# Altium PCB CSI2-ZCU106-EVK_Rev01.PcbDoc (part 3 of 4)
Units mm, origin at the board's own origin, x right, y up, seen from the top; angles counter-clockwise.
Board outline 75 x 69 mm, 4 copper layers (Layer1 Top, Layer2, Layer3, Layer4 Bottom), stack 1.59 mm thick; 252 components, 339 nets, 1136 pads, 406 vias.
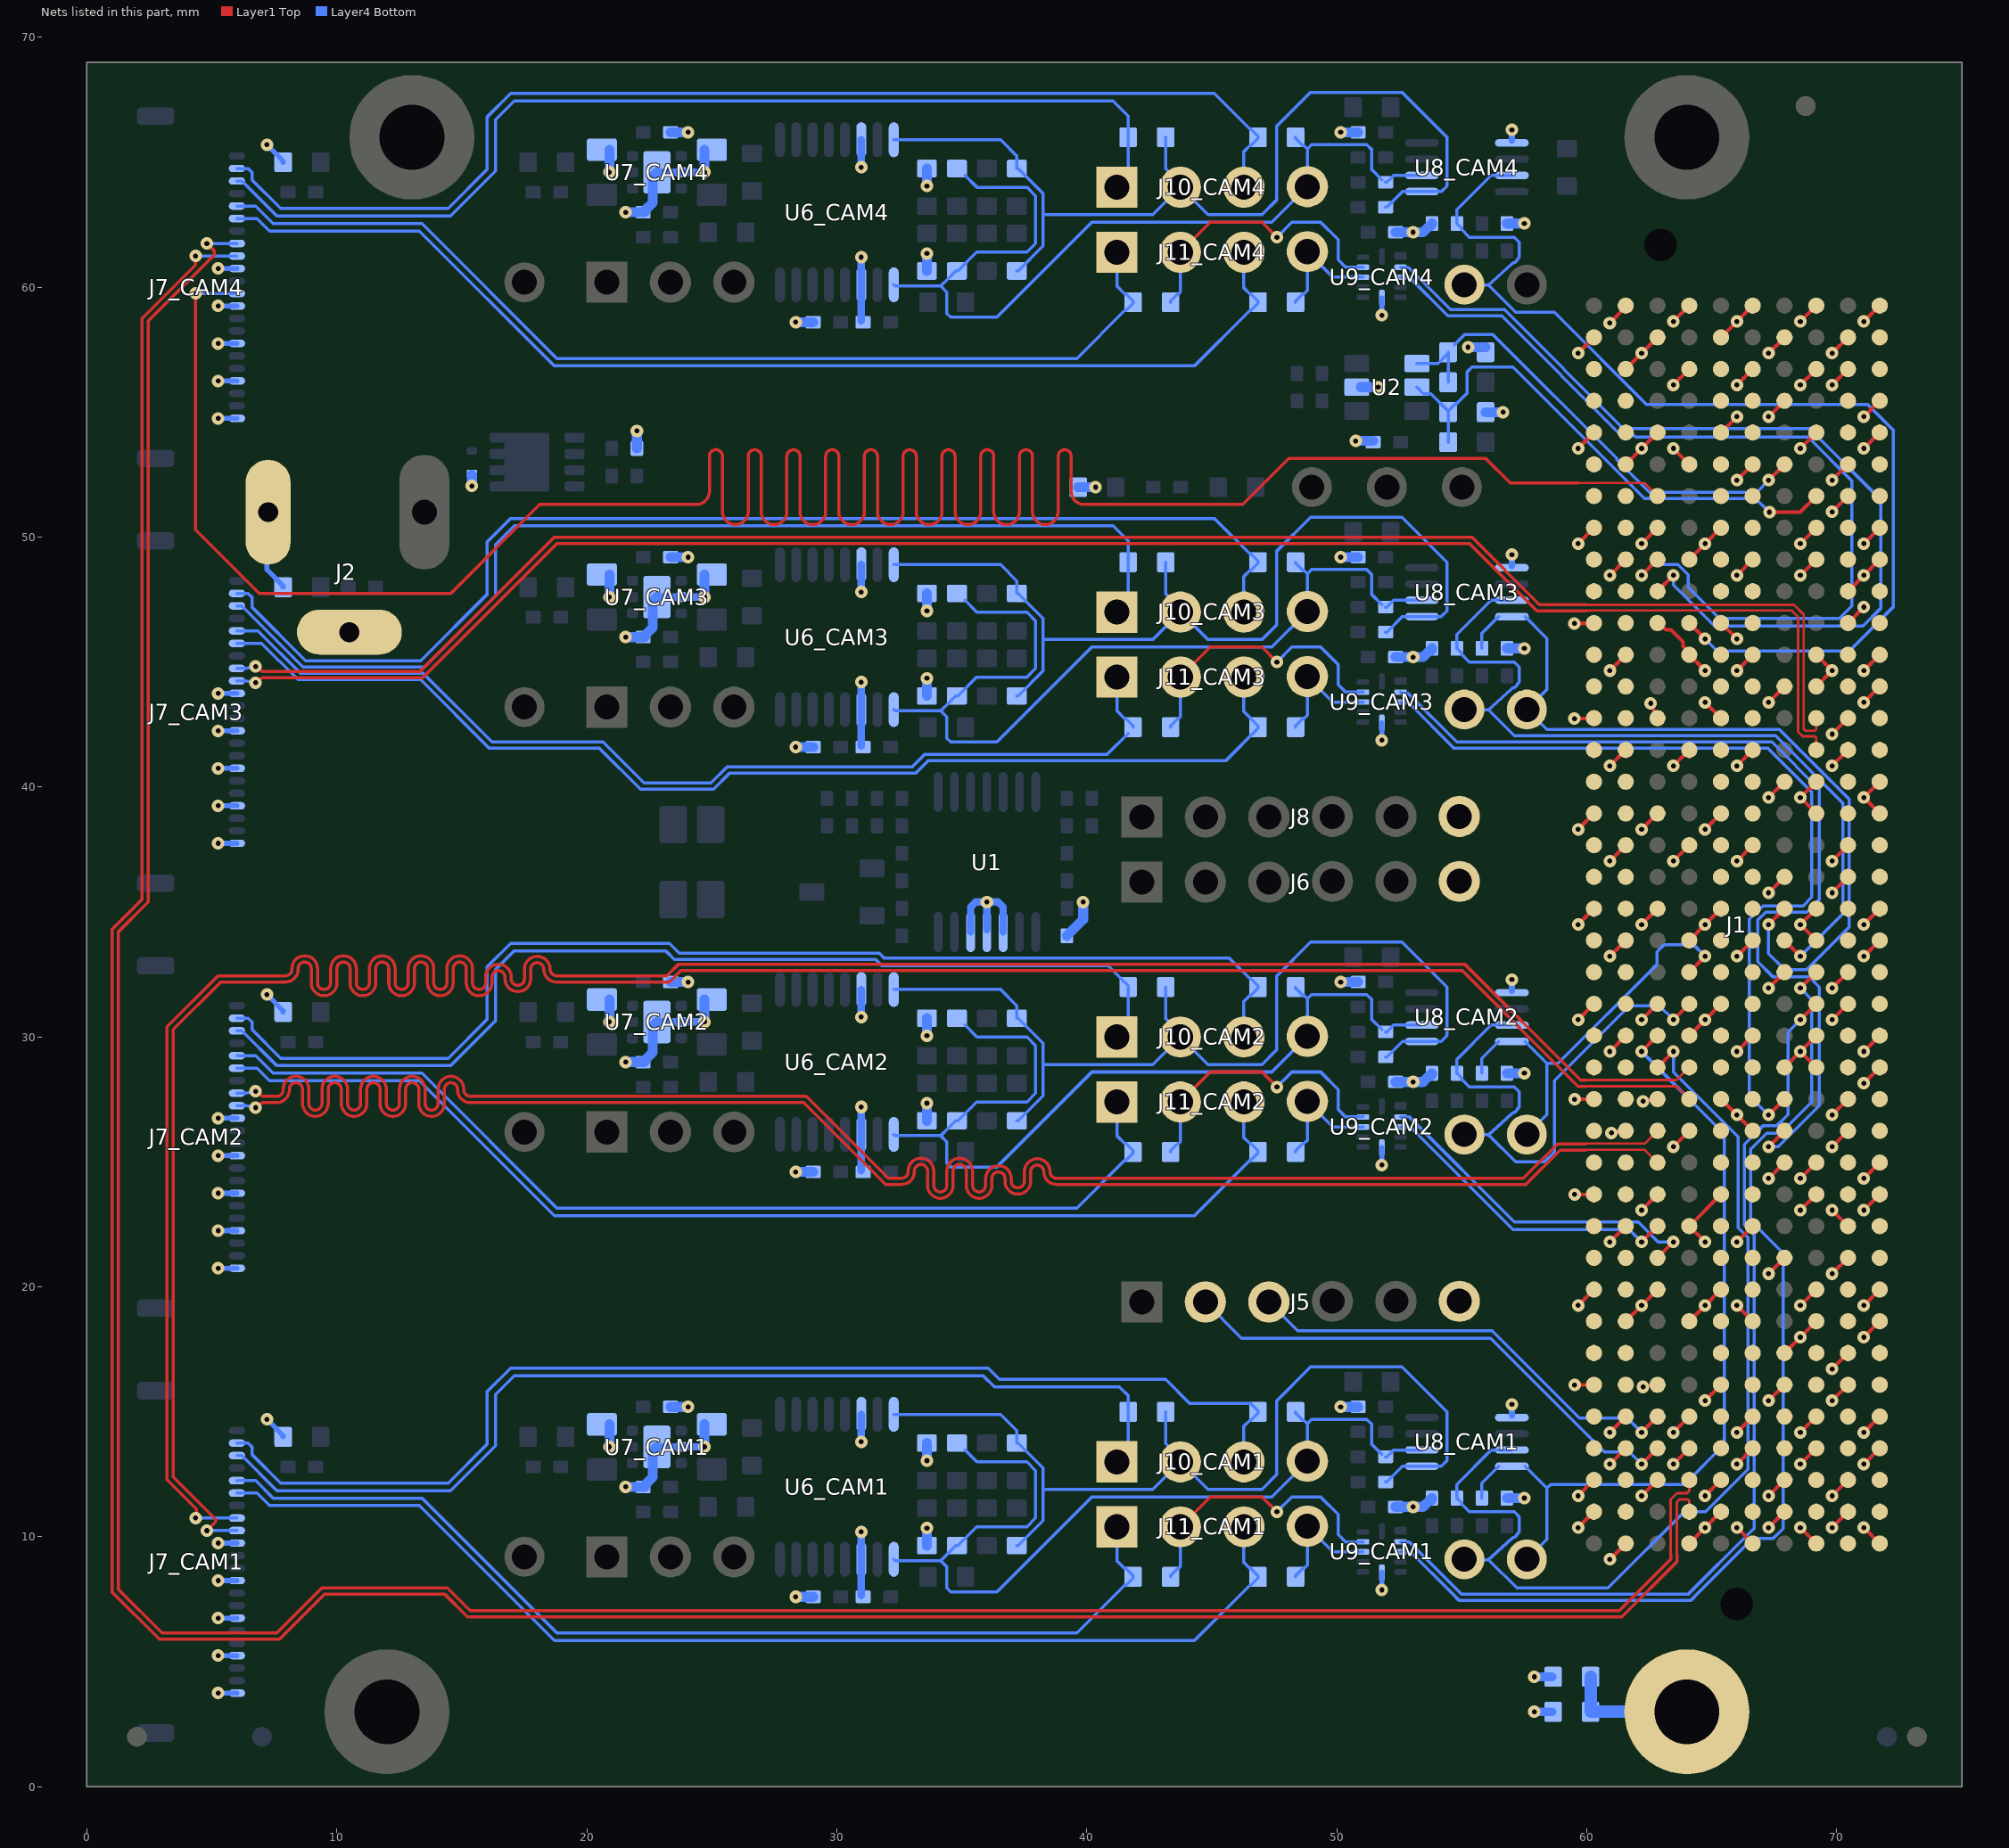
[diagram p5: the nets of this part, all layers, seen from the top]

## Via types
v1: diameter 0.5, hole 0.2, Layer1 Top to Layer4 Bottom, 406 vias

## Nets (pads, with @x,y where several pads share a name; then routed paths per layer and width w, separated by ;. In a path a pad name is that pad's centre, name@x,y a point inside that pad or via, vN(x,y) a via of type N, cw(c..) or ccw(c..) an arc to the next point about the centre after c; other vN are vias at no path point) (continued)
B7-CSI2-TXD2_CAM4_P: J1.H34 J7_CAM4.12 | length 125.2
  Layer1 Top w0.1: 59.65,52.165 62.305,52.165 J1.H34@62.825,51.645
  Layer1 Top w0.125: v1(4.35,59.75) 4.35,50.296 6.896,47.75 14.554,47.75 18.116,51.312 24.2,51.312 24.388,51.312 ccw(c24.388,51.825) 24.9,51.825 24.9,53.238 cw(c25.163,53.238) 25.425,53.238 25.425,51.013 ccw(c25.938,51.013) 26.45,51.013 26.45,53.238 cw(c26.713,53.238) 26.975,53.238 26.975,51.013 ccw(c27.488,51.013) 28,51.013 28,53.238 cw(c28.263,53.238) 28.525,53.238 28.525,51.013 ccw(c29.038,51.013) 29.55,51.013 29.55,53.238 cw(c29.813,53.238) 30.075,53.238 30.075,51.013 ccw(c30.588,51.013) 31.1,51.013 31.1,53.238 cw(c31.363,53.238) 31.625,53.238 31.625,51.013 ccw(c32.138,51.013) 32.65,51.013 32.65,53.238 cw(c32.913,53.238) 33.175,53.238 33.175,51.013 ccw(c33.688,51.013) 34.2,51.013 34.2,53.238 cw(c34.463,53.238) 34.725,53.238 34.725,51.013 ccw(c35.238,51.013) 35.75,51.013 35.75,53.238 cw(c36.013,53.238) 36.275,53.238 36.275,51.013 ccw(c36.788,51.013) 37.3,51.013 37.3,53.238 cw(c37.563,53.238) 37.825,53.238 37.825,51.013 ccw(c38.338,51.013) 38.85,51.013 38.85,53.238 cw(c39.113,53.238) 39.375,53.238 39.375,51.825 ccw(c39.888,51.825) 39.888,51.312 46.235,51.312 47.45,52.528 48.072,53.15 55.95,53.15 56.935,52.165 59.65,52.165
  Layer4 Bottom w0.125: v1(4.35,59.75) J7_CAM4.12@6,59.75
B7-CSI2-TXD3_CAM1_N: J1.G16 J7_CAM1.8 | length 97.9
  Layer1 Top w0.1: 59.95,28.275 63.585,28.275 J1.G16@64.095,28.785
  Layer1 Top w0.125: v1(4.35,10.75) 4.382,10.782 4.382,11.114 3.2,12.296 3.2,30.404 5.246,32.45 7.75,32.45 7.938,32.45 ccw(c7.938,32.712) 8.2,32.712 8.2,32.738 cw(c8.713,32.738) 9.225,32.738 9.225,32.162 ccw(c9.488,32.162) 9.75,32.162 9.75,32.738 cw(c10.263,32.738) 10.775,32.738 10.775,32.162 ccw(c11.038,32.162) 11.3,32.162 11.3,32.738 cw(c11.813,32.738) 12.325,32.738 12.325,32.162 ccw(c12.588,32.162) 12.85,32.162 12.85,32.738 cw(c13.363,32.738) 13.875,32.738 13.875,32.162 ccw(c14.138,32.162) 14.4,32.162 14.4,32.738 cw(c14.913,32.738) 15.425,32.738 15.425,32.162 ccw(c15.688,32.162) 15.95,32.162 15.95,32.395 cw(c16.463,32.395) 16.975,32.395 16.975,32.325 ccw(c17.238,32.325) 17.5,32.325 17.5,32.713 cw(c18.013,32.713) 18.525,32.713 ccw(c18.788,32.712) 18.788,32.45 21.95,32.45 23.2,32.45 23.65,32.9 55.129,32.9 59.754,28.275 59.95,28.275
  Layer4 Bottom w0.125: v1(4.35,10.75) J7_CAM1.8@6,10.75
B7-CSI2-TXD3_CAM1_P: J1.G15 J7_CAM1.9 | length 97.9
  Layer1 Top w0.1: 59.95,28.025 63.585,28.025 J1.G15@64.095,27.515
  Layer1 Top w0.125: v1(4.8,10.25) 5.148,10.598 5.148,10.702 3.45,12.4 3.45,30.3 5.35,32.2 7.75,32.2 7.938,32.2 ccw(c7.938,32.712) 8.45,32.712 8.45,32.738 cw(c8.713,32.738) 8.975,32.738 8.975,32.162 ccw(c9.488,32.162) 10,32.162 10,32.738 cw(c10.263,32.738) 10.525,32.738 10.525,32.162 ccw(c11.038,32.162) 11.55,32.162 11.55,32.738 cw(c11.813,32.738) 12.075,32.738 12.075,32.162 ccw(c12.588,32.162) 13.1,32.162 13.1,32.738 cw(c13.363,32.738) 13.625,32.738 13.625,32.162 ccw(c14.138,32.162) 14.65,32.162 14.65,32.738 cw(c14.913,32.738) 15.175,32.738 15.175,32.162 ccw(c15.688,32.162) 16.2,32.162 16.2,32.395 cw(c16.463,32.395) 16.725,32.395 16.725,32.325 ccw(c17.238,32.325) 17.75,32.325 17.75,32.713 cw(c18.013,32.713) 18.275,32.713 ccw(c18.788,32.712) 18.788,32.2 21.95,32.2 23.304,32.2 23.754,32.65 55.025,32.65 59.65,28.025 59.95,28.025
  Layer4 Bottom w0.125: v1(4.8,10.25) J7_CAM1.9@6,10.25
B7-CSI2-TXD3_CAM2_N: J1.H14 J7_CAM2.8 | length 74.2
  Layer1 Top w0.1: 59.95,25.735 62.315,25.735 J1.H14@62.825,26.245
  Layer1 Top w0.125: v1(6.75,27.825) 6.811,27.825 7.011,27.625 7.4,27.625 7.588,27.625 ccw(c7.588,27.887) 7.85,27.887 7.85,27.913 cw(c8.363,27.913) 8.875,27.913 8.875,27.337 ccw(c9.138,27.337) 9.4,27.337 9.4,27.913 cw(c9.913,27.913) 10.425,27.913 10.425,27.337 ccw(c10.688,27.337) 10.95,27.337 10.95,27.913 cw(c11.463,27.913) 11.975,27.913 11.975,27.337 ccw(c12.238,27.337) 12.5,27.337 12.5,27.913 cw(c13.013,27.913) 13.525,27.913 13.525,27.337 ccw(c13.788,27.337) 14.05,27.337 14.05,27.913 cw(c14.563,27.913) 15.075,27.913 15.075,27.887 ccw(c15.338,27.887) 15.338,27.625 16.45,27.625 28.75,27.625 ; 28.779,27.625 32.054,24.35 32.4,24.35 32.588,24.35 ccw(c32.588,24.612) 32.85,24.612 32.85,24.638 cw(c33.363,24.638) 33.875,24.638 33.875,24.062 ccw(c34.138,24.062) 34.4,24.062 34.4,24.638 cw(c34.913,24.638) 35.425,24.638 35.425,24.062 ccw(c35.688,24.062) 35.95,24.062 35.95,24.339 cw(c36.463,24.339) 36.975,24.339 36.975,24.225 ccw(c37.238,24.225) 37.5,24.225 37.5,24.613 cw(c38.013,24.613) 38.525,24.613 ccw(c38.788,24.612) 38.788,24.35 44.35,24.35 57.45,24.35 58.825,25.725 59.95,25.725
  Layer4 Bottom w0.125: J7_CAM2.8@6,27.75 6.338,27.75 ccw(c6.338,27.875) 6.361,27.752 6.445,27.768 v1(6.75,27.825)
B7-CSI2-TXD3_CAM2_P: J1.H13 J7_CAM2.9 | length 74.2
  Layer1 Top w0.1: 59.95,25.485 62.315,25.485 J1.H13@62.825,24.975
  Layer1 Top w0.125: v1(6.75,27.175) 6.811,27.175 7.011,27.375 7.4,27.375 7.588,27.375 ccw(c7.588,27.887) 8.1,27.887 8.1,27.913 cw(c8.363,27.913) 8.625,27.913 8.625,27.337 ccw(c9.138,27.337) 9.65,27.337 9.65,27.913 cw(c9.913,27.913) 10.175,27.913 10.175,27.337 ccw(c10.688,27.337) 11.2,27.337 11.2,27.913 cw(c11.463,27.913) 11.725,27.913 11.725,27.337 ccw(c12.238,27.337) 12.75,27.337 12.75,27.913 cw(c13.013,27.913) 13.275,27.913 13.275,27.337 ccw(c13.788,27.337) 14.3,27.337 14.3,27.913 cw(c14.563,27.913) 14.825,27.913 14.825,27.887 ccw(c15.338,27.887) 15.338,27.375 16.45,27.375 28.675,27.375 ; 28.713,27.337 28.675,27.375 ; 59.95,25.475 58.929,25.475 57.554,24.1 44.35,24.1 38.788,24.1 cw(c38.788,24.612) 38.275,24.612 ccw(c38.013,24.613) 37.75,24.613 37.75,24.225 cw(c37.238,24.225) 36.725,24.225 36.725,24.339 ccw(c36.463,24.339) 36.2,24.339 36.2,24.062 cw(c35.688,24.062) 35.175,24.062 35.175,24.638 ccw(c34.913,24.638) 34.65,24.638 34.65,24.062 cw(c34.138,24.062) 33.625,24.062 33.625,24.638 ccw(c33.363,24.638) 33.1,24.638 33.1,24.612 cw(c32.588,24.612) 32.588,24.1 32.4,24.1 31.95,24.1 29.9,26.15 28.675,27.375
  Layer4 Bottom w0.125: J7_CAM2.9@6,27.25 6.338,27.25 cw(c6.338,27.125) 6.361,27.248 6.445,27.232 v1(6.75,27.175)
B7-CSI2-TXD3_CAM3_N: J1.C27 J7_CAM3.8 | length 71.9
  Layer1 Top w0.1: 59.95,47.3 59.985,47.3 59.995,47.29 68.291,47.29 68.675,46.906 68.675,43.818 68.675,42.325 68.75,42.25 69.116,42.25 69.175,42.309 J1.C27@69.175,42.755
  Layer1 Top w0.125: v1(6.75,44.825) 6.811,44.825 7.011,44.625 7.995,44.625 13.325,44.625 18.7,50 55.404,50 58.104,47.3 59.95,47.3
  Layer4 Bottom w0.125: J7_CAM3.8@6,44.75 6.338,44.75 ccw(c6.338,44.875) 6.361,44.752 6.445,44.768 v1(6.75,44.825)
B7-CSI2-TXD3_CAM3_P: J1.C26 J7_CAM3.9 | length 71.9
  Layer1 Top w0.1: 59.95,47.05 59.985,47.05 59.998,47.062 60.075,47.062 60.078,47.065 68.197,47.065 68.45,46.812 68.45,43.725 68.45,42.21 68.635,42.025 69.116,42.025 69.175,41.966 J1.C26@69.175,41.485
  Layer1 Top w0.125: v1(6.75,44.175) 6.811,44.175 7.011,44.375 8.099,44.375 13.429,44.375 18.804,49.75 55.3,49.75 58,47.05 59.95,47.05
  Layer4 Bottom w0.125: J7_CAM3.9@6,44.25 6.338,44.25 cw(c6.338,44.125) 6.361,44.248 6.445,44.232 v1(6.75,44.175)
B7-CSI2-TXD3_CAM4_N: J1.G3 J7_CAM4.8 | length 125.3
  Layer1 Top w0.1: 63.35,9.3 63.35,11.5 63.6,11.75 64,11.75 64.095,11.845 J1.G3@64.095,12.275
  Layer1 Top w0.125: v1(4.8,61.75) 5.1,61.45 5.1,61.3 2.45,58.65 2.45,35.4 1.25,34.2 1.25,7.904 3.004,6.15 7.6,6.15 9.4,7.95 14.425,7.95 15.325,7.05 61.296,7.05 63.35,9.104 63.35,9.3
  Layer4 Bottom w0.125: v1(4.8,61.75) J7_CAM4.8@6,61.75
B7-CSI2-TXD3_CAM4_P: J1.G2 J7_CAM4.9 | length 125.3
  Layer1 Top w0.1: 63.6,9.3 63.594,9.306 63.594,11.394 63.7,11.5 64.036,11.5 64.095,11.441 J1.G2@64.095,11.005
  Layer1 Top w0.125: v1(4.35,61.25) 4.339,61.239 4.339,60.892 2.2,58.754 2.2,35.504 1,34.304 1,7.8 2.9,5.9 7.704,5.9 9.504,7.7 14.321,7.7 15.221,6.8 27.65,6.8 61.4,6.8 63.6,9 63.6,9.3
  Layer4 Bottom w0.125: v1(4.35,61.25) J7_CAM4.9@6,61.25
C-GND: C3.2 R6.1 X2.1 | length 5.3
  Layer4 Bottom w0.5: R6.1@60.15,4.4 C3.2@60.15,3 X2.1@64,3
CLK0_M2C_N: J1.H5 J5.3 | length 18
  Layer1 Top w0.15: v1(62.19,14.18) J1.H5@62.825,14.815
  Layer4 Bottom w0.125: J5.3@47.28,19.4 48.43,18.25 56.2,18.25 59.7,14.75 61.62,14.75 v1(62.19,14.18)
CLK0_M2C_P: J1.H4 J5.2 | length 21
  Layer1 Top w0.15: v1(62.19,12.91) J1.H4@62.825,13.545
  Layer4 Bottom w0.125: J5.2@44.74,19.4 46.19,17.95 56.146,17.95 59.596,14.5 59.6,14.5 60.7,13.4 61.7,13.4 v1(62.19,12.91)
CLK2_BIDIR_N: J1.K5
CLK2_BIDIR_P: J1.K4
CLK3_BIDIR_N: J1.J3
CLK3_BIDIR_P: J1.J2
CLK_DIR: J1.B1
DP0_C2M_N: J1.C3
DP0_C2M_P: J1.C2
DP0_M2C_N: J1.C7
DP0_M2C_P: J1.C6
DP1_C2M_N: J1.A23
DP1_C2M_P: J1.A22
DP1_M2C_N: J1.A3
DP1_M2C_P: J1.A2
DP2_C2M_N: J1.A27
DP2_C2M_P: J1.A26
DP2_M2C_N: J1.A7
DP2_M2C_P: J1.A6
DP3_C2M_N: J1.A31
DP3_C2M_P: J1.A30
DP3_M2C_N: J1.A11
DP3_M2C_P: J1.A10
DP4_C2M_N: J1.A35
DP4_C2M_P: J1.A34
DP4_M2C_N: J1.A15
DP4_M2C_P: J1.A14
DP5_C2M_N: J1.A39
DP5_C2M_P: J1.A38
DP5_M2C_N: J1.A19
DP5_M2C_P: J1.A18
DP6_C2M_N: J1.B37
DP6_C2M_P: J1.B36
DP6_M2C_N: J1.B17
DP6_M2C_P: J1.B16
DP7_C2M_N: J1.B33
DP7_C2M_P: J1.B32
DP7_M2C_N: J1.B13
DP7_M2C_P: J1.B12
DP8_C2M_N: J1.B29
DP8_C2M_P: J1.B28
DP8_M2C_N: J1.B9
DP8_M2C_P: J1.B8
DP9_C2M_N: J1.B25
DP9_C2M_P: J1.B24
DP9_M2C_N: J1.B5
DP9_M2C_P: J1.B4
EXT-GPIO0-I2C-SCL_CAM1: J7_CAM1.2 J10_CAM1.3 R47_CAM1.1 | length 47.8
  Layer4 Bottom w0.125: J7_CAM1.2@6,13.75 6.45,13.75 6.6,13.6 6.6,13.3 7.75,12.15 14.45,12.15 16,13.7 16,15.8 16.95,16.75 36.05,16.75 36.5,16.3 43.15,16.3 44.117,15.333 46.563,15.333 46.85,15.046 R47_CAM1.1@46.85,15 46.85,14.954 46.563,14.667 46.517,14.667 46.28,14.43 J10_CAM1.3@46.28,13
EXT-GPIO0-I2C-SCL_CAM2: J7_CAM2.2 J10_CAM2.3 R47_CAM2.1 | length 47.8
  Layer4 Bottom w0.125: J7_CAM2.2@6,30.75 6.45,30.75 6.6,30.6 6.6,30.3 7.75,29.15 14.45,29.15 16,30.7 16,32.8 16.95,33.75 23.3,33.75 23.7,33.35 31.7,33.35 31.9,33.15 45.7,33.15 46.517,32.333 46.563,32.333 46.85,32.046 R47_CAM2.1@46.85,32 46.85,31.954 46.563,31.667 46.517,31.667 46.28,31.43 J10_CAM2.3@46.28,30
EXT-GPIO0-I2C-SCL_CAM3: J7_CAM3.2 J10_CAM3.3 R47_CAM3.1 | length 48.8
  Layer4 Bottom w0.125: J7_CAM3.2@6,47.75 6.45,47.75 6.6,47.6 6.6,47.2 8.75,45.05 13.35,45.05 16,47.7 16,49.8 16.95,50.75 45.1,50.75 46.517,49.333 46.563,49.333 46.85,49.046 R47_CAM3.1@46.85,49 46.85,48.954 46.563,48.667 46.517,48.667 46.28,48.43 J10_CAM3.3@46.28,47
EXT-GPIO0-I2C-SCL_CAM4: J7_CAM4.2 J10_CAM4.3 R47_CAM4.1 | length 47.8
  Layer4 Bottom w0.125: J7_CAM4.2@6,64.75 6.45,64.75 6.6,64.6 6.6,64.3 7.75,63.15 14.45,63.15 16,64.7 16,66.8 16.95,67.75 45.1,67.75 46.517,66.333 46.563,66.333 46.85,66.046 R47_CAM4.1@46.85,66 46.85,65.954 46.563,65.667 46.517,65.667 46.28,65.43 J10_CAM4.3@46.28,64
EXT-GPIO1-I2C-SDA_CAM1: J7_CAM1.3 J10_CAM1.1 R48_CAM1.1 | length 42.5
  Layer4 Bottom w0.125: J7_CAM1.3@6,13.25 6.2,13.25 7.6,11.85 14.55,11.85 16.35,13.65 16.35,15.7 17.1,16.45 35.85,16.45 36.3,16 41.3,16 41.65,15.65 R48_CAM1.1@41.65,15 41.65,13.45 J10_CAM1.1@41.2,13
EXT-GPIO1-I2C-SDA_CAM2: J7_CAM2.3 J10_CAM2.1 R48_CAM2.1 | length 42.2
  Layer4 Bottom w0.125: J7_CAM2.3@6,30.25 6.2,30.25 7.6,28.85 14.55,28.85 16.35,30.65 16.35,32.7 17.1,33.45 23.15,33.45 23.5,33.1 31.55,33.1 31.8,32.85 40.85,32.85 41.65,32.05 41.65,30.45 J10_CAM2.1@41.2,30
EXT-GPIO1-I2C-SDA_CAM3: J7_CAM3.3 J10_CAM3.1 R48_CAM3.1 | length 43.5
  Layer4 Bottom w0.125: J7_CAM3.3@6,47.25 6.196,47.25 8.646,44.8 13.5,44.8 16.35,47.65 16.35,49.7 17.1,50.45 41.05,50.45 41.65,49.85 R48_CAM3.1@41.65,49 41.65,47.45 J10_CAM3.1@41.2,47
EXT-GPIO1-I2C-SDA_CAM4: J7_CAM4.3 J10_CAM4.1 R48_CAM4.1 | length 42.6
  Layer4 Bottom w0.125: J7_CAM4.3@6,64.25 6.2,64.25 7.6,62.85 14.55,62.85 16.35,64.65 16.35,66.7 17.1,67.45 41.05,67.45 41.65,66.85 R48_CAM4.1@41.65,66 41.65,64.45 J10_CAM4.1@41.2,64
EXT-GPIO2_CAM1: J7_CAM1.5 J11_CAM1.1 R50_CAM1.1 | length 41.6
  Layer4 Bottom w0.125: J7_CAM1.5@6,12.25 6.75,12.25 7.45,11.55 13.4,11.55 18.8,6.15 39.6,6.15 41.517,8.067 41.563,8.067 41.85,8.354 R50_CAM1.1@41.85,8.4 41.85,8.446 41.563,8.733 41.517,8.733 41.2,9.05 J11_CAM1.1@41.2,10.4
EXT-GPIO2_CAM2: J7_CAM2.5 J11_CAM2.1 R50_CAM2.1 | length 41.6
  Layer4 Bottom w0.125: J7_CAM2.5@6,29.25 6.75,29.25 7.45,28.55 13.4,28.55 18.8,23.15 39.6,23.15 41.517,25.067 41.563,25.067 41.85,25.354 R50_CAM2.1@41.85,25.4 41.85,25.446 41.563,25.733 41.517,25.733 41.2,26.05 J11_CAM2.1@41.2,27.4
EXT-GPIO2_CAM3: J7_CAM3.5 J11_CAM3.1 R50_CAM3.1 | length 41.3
  Layer4 Bottom w0.125: J7_CAM3.5@6,46.25 6.843,46.25 8.543,44.55 13.45,44.55 16.2,41.8 20.65,41.8 22.287,40.163 24.959,40.163 25.596,40.8 29.4,40.8 33,40.8 33.5,41.3 40.8,41.3 R50_CAM3.1@41.65,42.15 ; J11_CAM3.1@41.2,44.4 41.2,43.05 41.517,42.733 41.563,42.733 41.85,42.446 R50_CAM3.1@41.85,42.4
EXT-GPIO2_CAM4: J7_CAM4.5 J11_CAM4.1 R50_CAM4.1 | length 41.6
  Layer4 Bottom w0.125: J7_CAM4.5@6,63.25 6.75,63.25 7.45,62.55 13.4,62.55 18.8,57.15 39.6,57.15 41.517,59.067 41.563,59.067 41.85,59.354 R50_CAM4.1@41.85,59.4 41.85,59.446 41.563,59.733 41.517,59.733 41.2,60.05 J11_CAM4.1@41.2,61.4
EXT-GPIO3_CAM1: J7_CAM1.6 J11_CAM1.3 R49_CAM1.1 | length 46.6
  Layer4 Bottom w0.125: J7_CAM1.6@6,11.75 6.8,11.75 7.3,11.25 13.3,11.25 18.7,5.85 44.3,5.85 46.517,8.067 46.563,8.067 46.85,8.354 R49_CAM1.1@46.85,8.4 46.85,8.446 46.563,8.733 46.517,8.733 46.28,8.97 J11_CAM1.3@46.28,10.4
EXT-GPIO3_CAM2: J7_CAM2.6 J11_CAM2.3 R49_CAM2.1 | length 46.6
  Layer4 Bottom w0.125: J7_CAM2.6@6,28.75 6.8,28.75 7.3,28.25 13.3,28.25 18.7,22.85 44.3,22.85 46.517,25.067 46.563,25.067 46.85,25.354 R49_CAM2.1@46.85,25.4 46.85,25.446 46.563,25.733 46.517,25.733 46.28,25.97 J11_CAM2.3@46.28,27.4
EXT-GPIO3_CAM3: J7_CAM3.6 J11_CAM3.3 R49_CAM3.1 | length 46.6
  Layer4 Bottom w0.125: J7_CAM3.6@6,45.75 6.989,45.75 8.439,44.3 13.346,44.3 16.096,41.55 20.5,41.55 22.137,39.913 25.063,39.913 25.7,40.55 33.15,40.55 33.65,41.05 45.55,41.05 46.85,42.35 R49_CAM3.1@46.85,42.4 46.85,42.45 46.28,43.02 J11_CAM3.3@46.28,44.4
EXT-GPIO3_CAM4: J7_CAM4.6 J11_CAM4.3 R49_CAM4.1 | length 46.6
  Layer4 Bottom w0.125: J7_CAM4.6@6,62.75 6.8,62.75 7.3,62.25 13.3,62.25 18.7,56.85 44.3,56.85 46.517,59.067 46.563,59.067 46.85,59.354 R49_CAM4.1@46.85,59.4 46.85,59.446 46.563,59.733 46.517,59.733 46.28,59.97 J11_CAM4.3@46.28,61.4
GA0: J1.C34 R16.1 R20.2 U2.5 | length 21.5
  Layer1 Top w0.15: v1(67.3,51) 68.53,51 J1.C34@69.175,51.645
  Layer4 Bottom w0.125: U2.5@53.2,56 53.462,55.738 53.762,55.738 54.45,55.05 R16.1@54.45,55.046 ; R20.2@54.45,53.8 R16.1@54.45,55 R16.1@54.45,55.046 ; v1(67.3,51) 66.75,51.55 62.3,51.55 57.05,56.8 55.4,56.8 55.2,56.6 55.2,55.75 54.783,55.333 54.737,55.333 R16.1@54.45,55.046
GA1: J1.D35 R15.1 R19.2 U2.4 | length 19.1
  Layer1 Top w0.15: v1(67.27,52.28) J1.D35@67.905,52.915
  Layer4 Bottom w0.125: U2.4@53.2,56.95 54.046,56.95 R15.1@54.45,57.354 ; R19.2@54.45,56.2 R15.1@54.45,57.354 ; R15.1@54.45,57.4 R15.1@54.45,57.354 ; R15.1@54.7,57.7 55.1,58.1 56.246,58.1 61.2,53.146 61.2,53.1 62.5,51.8 66.8,51.8 67.27,52.27 v1(67.27,52.28)
GBTCLK0_M2C_N: J1.D5
GBTCLK0_M2C_P: J1.D4
GBTCLK1_M2C_N: J1.B21
GBTCLK1_M2C_P: J1.B20
GND: C1_CAM1.2 C1_CAM2.2 C1_CAM3.2 C1_CAM4.2 C2.2 C3.1 C13_CAM1.2 C13_CAM2.2 C13_CAM3.2 C13_CAM4.2 C14_CAM1.2 C14_CAM2.2 C14_CAM3.2 C14_CAM4.2 C15_CAM1.2 C15_CAM2.2 C15_CAM3.2 C15_CAM4.2 C16_CAM1.2 C16_CAM2.2 C16_CAM3.2 C16_CAM4.2 C17_CAM1.2 C17_CAM2.2 C17_CAM3.2 C17_CAM4.2 C18_CAM1.2 C18_CAM2.2 C18_CAM3.2 C18_CAM4.2 C19_CAM1.2 C19_CAM2.2 C19_CAM3.2 C19_CAM4.2 C20_CAM1.2 C20_CAM2.2 C20_CAM3.2 C20_CAM4.2 D1.K D2.A D6_CAM1.K D6_CAM2.K D6_CAM3.K D6_CAM4.K J1.A1 J1.A4 J1.A5 J1.A8 J1.A9 J1.A12 J1.A13 J1.A16 J1.A17 J1.A20 J1.A21 J1.A24 J1.A25 J1.A28 J1.A29 J1.A32 J1.A33 J1.A36 J1.A37 J1.A40 J1.B2 J1.B3 J1.B6 J1.B7 J1.B10 J1.B11 J1.B14 J1.B15 J1.B18 J1.B19 J1.B22 J1.B23 J1.B26 J1.B27 J1.B30 J1.B31 J1.B34 J1.B35 J1.B38 J1.B39 J1.C1 J1.C4 J1.C5 J1.C8 J1.C9 J1.C12 J1.C13 J1.C16 J1.C17 J1.C20 J1.C21 J1.C24 J1.C25 J1.C28 J1.C29 J1.C32 J1.C33 J1.C36 J1.C38 J1.C40 J1.D2 J1.D3 J1.D6 J1.D7 J1.D10 J1.D13 J1.D16 J1.D19 J1.D22 J1.D25 J1.D28 J1.D37 J1.D39 J1.E1 J1.E4 J1.E5 J1.E8 J1.E11 J1.E14 J1.E17 J1.E20 J1.E23 J1.E26 J1.E29 J1.E32 J1.E35 J1.E38 J1.E40 J1.F2 J1.F3 J1.F6 J1.F9 J1.F12 J1.F15 J1.F18 J1.F21 J1.F24 J1.F27 J1.F30 J1.F33 J1.F36 J1.F39 J1.G1 J1.G4 J1.G5 J1.G8 J1.G11 J1.G14 J1.G17 J1.G20 J1.G23 J1.G26 J1.G29 J1.G32 J1.G35 J1.G38 J1.G40 J1.H3 J1.H6 J1.H9 J1.H12 J1.H15 J1.H18 J1.H21 J1.H24 J1.H27 J1.H30 J1.H33 J1.H36 J1.H39 J1.J1 J1.J4 J1.J5 J1.J8 J1.J11 J1.J14 J1.J17 J1.J20 J1.J23 J1.J26 J1.J29 J1.J32 J1.J35 J1.J38 J1.J40 J1.K2 J1.K3 J1.K6 J1.K9 J1.K12 J1.K15 J1.K18 J1.K21 J1.K24 J1.K27 J1.K30 J1.K33 J1.K36 J1.K39 J2.2 J2.3 J5.6 J6.6 J7_CAM1.10 J7_CAM1.13 J7_CAM1.16 J7_CAM1.19 J7_CAM1.22 J7_CAM2.10 J7_CAM2.13 J7_CAM2.16 J7_CAM2.19 J7_CAM2.22 J7_CAM3.10 J7_CAM3.13 J7_CAM3.16 J7_CAM3.19 J7_CAM3.22 J7_CAM4.10 J7_CAM4.13 J7_CAM4.16 J7_CAM4.19 J7_CAM4.22 J8.6 R6.2 R12.2 R15.2 R16.2 R32.1 R41_CAM1.1 R41_CAM2.1 R41_CAM3.1 R41_CAM4.1 R42_CAM1.1 R42_CAM2.1 R42_CAM3.1 R42_CAM4.1 R46_CAM1.1 R46_CAM2.1 R46_CAM3.1 R46_CAM4.1 U1.10 U1.11 U1.12 U2.2 U6_CAM1.6 U6_CAM1.11 U6_CAM2.6 U6_CAM2.11 U6_CAM3.6 U6_CAM3.11 U6_CAM4.6 U6_CAM4.11 U7_CAM1.5 U7_CAM1.7 U7_CAM2.5 U7_CAM2.7 U7_CAM3.5 U7_CAM3.7 U7_CAM4.5 U7_CAM4.7 U8_CAM1.1 U8_CAM2.1 U8_CAM3.1 U8_CAM4.1 U9_CAM1.6 U9_CAM2.6 U9_CAM3.6 U9_CAM4.6 | length 242.3
  Layer1 Top w0.125: J1.K27@60.27,42.74 J1.K27@60.285,42.755 ; J1.K30@60.27,46.55 J1.K30@60.285,46.565
  Layer1 Top w0.15: v1(59.5,42.74) J1.K27@60.27,42.74 ; v1(59.5,46.55) J1.K30@60.27,46.55 ; v1(59.507,16.077) J1.K6@60.277,16.077 ; v1(59.507,23.697) J1.K12@60.277,23.697 ; v1(59.507,27.507) J1.K15@60.277,27.507 ; v1(59.65,10.37) J1.K2@60.285,11.005 ; v1(59.65,11.64) J1.K3@60.285,12.275 ; v1(59.65,19.26) J1.K9@60.285,19.895 ; v1(59.65,30.69) J1.K18@60.285,31.325 ; v1(59.65,34.5) J1.K21@60.285,35.135 ; v1(59.65,38.31) J1.K24@60.285,38.945 ; v1(59.65,49.74) J1.K33@60.285,50.375 ; v1(59.65,53.55) J1.K36@60.285,54.185 ; v1(59.65,57.36) J1.K39@60.285,57.995 ; v1(60.915,58.565) J1.J40@61.55,59.2 ; v1(60.92,9.1) J1.J1@61.555,9.735 ; v1(60.92,12.91) J1.J4@61.555,13.545 ; v1(60.92,14.18) J1.J5@61.555,14.815 ; v1(60.92,21.8) J1.J11@61.555,22.435 ; v1(60.92,29.42) J1.J17@61.555,30.055 ; v1(60.92,33.23) J1.J20@61.555,33.865 ; v1(60.92,37.04) J1.J23@61.555,37.675 ; v1(60.92,40.85) J1.J26@61.555,41.485 ; v1(60.92,44.66) J1.J29@61.555,45.295 ; v1(60.92,48.47) J1.J32@61.555,49.105 ; v1(60.98,26.16) 61.022,26.203 61.513,26.203 J1.J14@61.555,26.245 J1.J14@61.555,26.235 ; J1.J8@61.555,18.625 v1(62.19,19.26) J1.H9@62.825,19.895 ; J1.J35@61.555,52.915 v1(62.19,53.55) J1.H36@62.825,54.185 ; J1.J38@61.555,56.725 v1(62.19,57.36) J1.H39@62.825,57.995 ; v1(62.19,11.64) J1.H3@62.825,12.275 ; v1(62.19,23.07) J1.H12@62.825,23.705 ; v1(62.19,30.69) J1.H18@62.825,31.325 ; v1(62.19,34.5) J1.H21@62.825,35.135 ; v1(62.19,38.31) J1.H24@62.825,38.945 ; v1(62.19,49.74) J1.H33@62.825,50.375 ; v1(62.25,16) 62.292,16.043 62.783,16.043 J1.H6@62.825,16.085 J1.H6@62.825,16.075 ; v1(62.25,27.43) 62.292,27.473 62.783,27.473 J1.H15@62.825,27.515 J1.H15@62.825,27.505 ; v1(62.55,43.35) J1.H27@62.825,42.755 ; J1.H30@62.825,46.565 62.885,46.565 63.163,46.287 63.363,46.287 63.845,45.805 63.845,45.633 64.095,45.383 J1.G29@64.095,45.295 v1(64.73,44.66) ; v1(63.46,12.91) J1.G4@64.095,13.545 ; v1(63.46,14.18) J1.G5@64.095,14.815 ; v1(63.46,25.61) J1.G14@64.095,26.245 ; v1(63.46,37.04) J1.G23@64.095,37.675 ; v1(63.46,40.85) J1.G26@64.095,41.485 ; v1(63.46,53.55) J1.G35@64.095,52.915 ; v1(63.46,56.09) J1.G38@64.095,56.725 ; v1(63.46,58.63) J1.G40@64.095,59.265 ; J1.G1@64.095,9.735 v1(64.73,10.37) J1.F2@65.365,11.005 ; J1.G8@64.095,18.625 v1(64.73,19.26) J1.F9@65.365,19.895 ; J1.G17@64.095,30.055 v1(64.73,30.69) J1.F18@65.365,31.325 ; J1.G20@64.095,33.865 v1(64.73,34.5) J1.F21@65.365,35.135 ; J1.G32@64.095,49.105 v1(64.73,49.74) J1.F33@65.365,50.375 ; v1(64.73,11.64) J1.F3@65.365,12.275 ; v1(64.73,15.45) J1.F6@65.365,16.085 ; v1(64.73,21.8) J1.G11@64.095,22.435 J1.F12@65.365,23.705 ; v1(64.73,38.31) J1.F24@65.365,38.945 ; v1(64.73,43.39) J1.F27@65.365,42.755 ; J1.F15@65.365,27.515 v1(66,26.88) J1.E14@66.635,26.245 ; J1.F30@65.365,46.565 v1(66,45.93) ; J1.F36@65.365,54.185 v1(66,54.82) ; J1.F39@65.365,57.995 v1(66,58.63) J1.E40@66.635,59.265 ; v1(66,10.37) J1.E1@66.635,9.735 ; v1(66,12.91) J1.E4@66.635,13.545 ; v1(66,14.18) J1.E5@66.635,14.815 ; v1(66,19.26) J1.E8@66.635,18.625 ; v1(66,21.8) J1.E11@66.635,22.435 ; v1(66,29.42) J1.E17@66.635,30.055 ; v1(66,33.23) J1.E20@66.635,33.865 ; v1(66,37.04) J1.E23@66.635,37.675 ; v1(66,40.85) J1.E26@66.635,41.485 ; v1(66,44.66) J1.E29@66.635,45.295 ; v1(66,48.47) J1.E32@66.635,49.105 ; v1(66,52.28) J1.E35@66.635,52.915 ; v1(66,56.09) J1.E38@66.635,56.725 ; v1(67.27,10.37) J1.D2@67.905,11.005 ; v1(67.27,11.64) J1.D3@67.905,12.275 ; v1(67.27,15.45) J1.D6@67.905,16.085 ; v1(67.27,20.53) J1.D10@67.905,21.165 ; v1(67.27,24.34) J1.D13@67.905,24.975 ; v1(67.27,31.96) J1.D19@67.905,32.595 ; v1(67.27,35.77) J1.D22@67.905,36.405 ; v1(67.27,39.58) J1.D25@67.905,40.215 ; v1(67.27,43.39) J1.D28@67.905,44.025 ; v1(67.27,54.82) J1.D37@67.905,55.455 ; v1(67.27,57.36) J1.D39@67.905,57.995 ; J1.D7@67.905,17.355 v1(68.54,17.99) J1.C8@69.175,18.625 ; J1.D16@67.905,28.785 v1(68.54,29.42) ; v1(68.54,10.37) J1.C1@69.175,9.735 ; v1(68.54,12.91) J1.C4@69.175,13.545 ; v1(68.54,14.18) J1.C5@69.175,14.815 ; v1(68.54,19.26) J1.C9@69.175,19.895 ; v1(68.54,23.07) J1.C12@69.175,23.705 ; v1(68.54,24.34) J1.C13@69.175,24.975 ; v1(68.54,48.47) J1.C32@69.175,49.105 ; v1(68.54,49.74) J1.C33@69.175,50.375 ; v1(68.54,53.55) J1.C36@69.175,54.185 ; v1(68.54,56.09) J1.C38@69.175,56.725 ; v1(68.54,58.63) J1.C40@69.175,59.265 ; J1.C16@69.175,28.785 v1(68.54,29.42) ; J1.C17@69.175,30.055 v1(68.54,29.42) ; J1.C20@69.175,33.865 v1(68.54,34.5) J1.C21@69.175,35.135 ; J1.C24@69.175,38.945 v1(68.54,39.58) J1.C25@69.175,40.215 ; J1.C28@69.175,44.025 v1(69.81,44.66) J1.C29@69.175,45.295 ; v1(69.81,10.37) J1.B2@70.445,11.005 ; v1(69.81,11.64) J1.B3@70.445,12.275 ; v1(69.81,15.45) J1.B6@70.445,16.085 ; v1(69.81,16.72) J1.B7@70.445,17.355 ; v1(69.81,20.53) J1.B10@70.445,21.165 ; v1(69.81,23.07) J1.B11@70.445,22.435 ; v1(69.81,25.61) J1.B14@70.445,26.245 ; v1(69.81,26.88) J1.B15@70.445,27.515 ; v1(69.81,30.69) J1.B18@70.445,31.325 ; v1(69.81,31.96) J1.B19@70.445,32.595 ; v1(69.81,35.77) J1.B22@70.445,36.405 ; v1(69.81,37.04) J1.B23@70.445,37.675 ; v1(69.81,40.85) J1.B26@70.445,41.485 ; v1(69.81,42.12) J1.B27@70.445,42.755 ; v1(69.81,51.01) J1.B34@70.445,51.645 ; v1(69.81,52.28) J1.B35@70.445,52.915 ; v1(69.81,56.09) J1.B38@70.445,56.725 ; v1(69.81,57.36) J1.B39@70.445,57.995 ; J1.B30@70.445,46.565 v1(71.08,47.2) ; J1.B31@70.445,47.835 v1(71.08,48.47) J1.A32@71.715,49.105 ; v1(71.08,10.37) J1.A1@71.715,9.735 ; v1(71.08,12.91) J1.A4@71.715,13.545 ; v1(71.08,14.18) J1.A5@71.715,14.815 ; v1(71.08,17.99) J1.A8@71.715,18.625 ; v1(71.08,19.26) J1.A9@71.715,19.895 ; v1(71.08,23.07) J1.A12@71.715,23.705 ; v1(71.08,24.34) J1.A13@71.715,24.975 ; v1(71.08,28.15) J1.A16@71.715,28.785 ; v1(71.08,29.42) J1.A17@71.715,30.055 ; v1(71.08,33.23) J1.A20@71.715,33.865 ; v1(71.08,34.5) J1.A21@71.715,35.135 ; v1(71.08,43.39) J1.A28@71.715,44.025 ; v1(71.08,44.66) J1.A29@71.715,45.295 ; v1(71.08,49.74) J1.A33@71.715,50.375 ; v1(71.08,53.55) J1.A36@71.715,54.185 ; v1(71.08,54.82) J1.A37@71.715,55.455 ; v1(71.08,58.63) J1.A40@71.715,59.265 ; J1.A24@71.715,38.945 v1(71.08,39.58) J1.A25@71.715,40.215